# KiCad board 4-ch-backplane.kicad_pcb (continued)
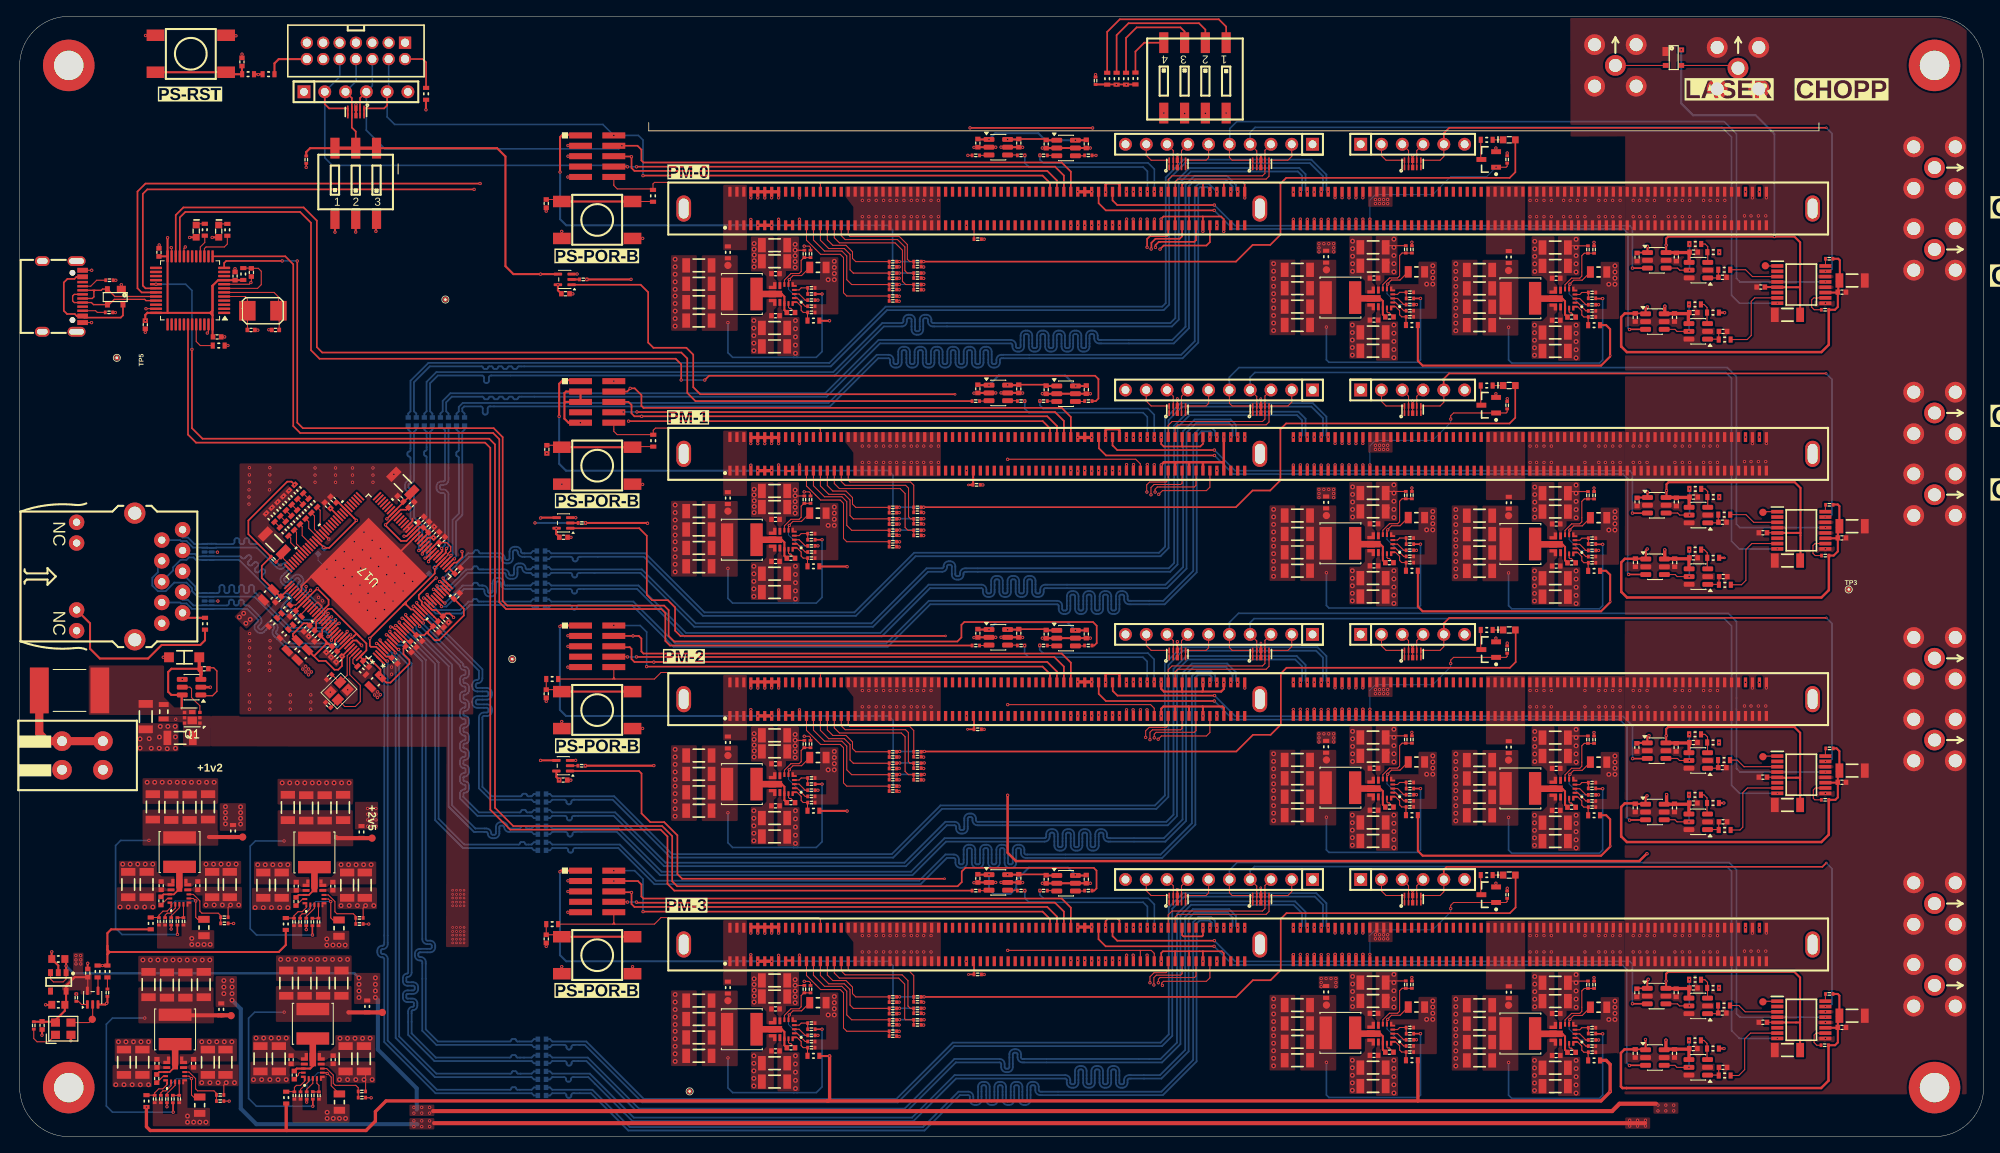
[diagram p0: board, top side]
## Copper pours and planes (outline as drawn; the poured copper is in the pictures) (continued)
/TOP_LEVEL_IO/SPEEDY_PM__INST/PWR/PWR_VIN on Top Layer: 19.96,50.67 19.96,47.72 23.41,47.72 23.41,51.46 16.92,51.48 16.92,50.67
/TOP_LEVEL_IO/SPEEDY_PM__INST/PWR/PWR_VIN on Top Layer: 188.48,101.89 188.48,100.67 188.58,100.57 188.58,100.57 188.63,100.51 188.63,99.67 190.7,99.67 190.7,94.87 188,94.87 188,100.74 188.15,100.89 188.15,101.89
/TOP_LEVEL_IO/SPEEDY_PM__INST/PWR/PWR_VIN on Top Layer: 93.06,73.61 93.06,74.62 93.64,75.19 93.64,75.81 95.24,75.81 95.24,80.04 92.59,80.04 92.59,74.76 92.74,74.61 92.74,73.61
/TOP_LEVEL_IO/SPEEDY_PM__INST/PWR/PWR_VIN on Top Layer: 19.62,8.34 20.62,8.34 21.19,7.77 21.82,7.77 21.82,6.17 26.76,6.17 26.76,8.82 20.77,8.82 20.62,8.67 19.62,8.67
/TOP_LEVEL_IO/SPEEDY_PM__INST/PWR/PWR_VIN on Top Layer: 166.22,71.86 166.22,70.64 166.32,70.54 166.31,70.54 166.36,70.48 166.36,69.64 168.44,69.64 168.44,64.84 165.74,64.84 165.74,70.71 165.89,70.86 165.89,71.86
/TOP_LEVEL_IO/SPEEDY_PM__INST/PWR/PWR_VIN on Top Layer: 28.21,9.17 43.47,9.19 43.47,6.54 28.21,6.47
/TOP_LEVEL_IO/SPEEDY_PM__INST/PWR/PWR_VIN on Top Layer: 93.08,102.45 93.08,101.23 93.18,101.13 93.18,101.13 93.23,101.07 93.23,100.23 95.31,100.23 95.31,95.43 92.61,95.43 92.61,101.3 92.76,101.45 92.76,102.45
/TOP_LEVEL_IO/SPEEDY_PM__INST/PWR/PWR_VIN on Top Layer: 166.2,13.21 166.2,14.21 166.77,14.78 166.77,15.41 168.37,15.41 168.37,20.23 165.72,20.23 165.72,14.36 165.87,14.21 165.87,13.21
/TOP_LEVEL_IO/SPEEDY_PM__INST/PWR/PWR_VIN on Top Layer: 36.64,30 37.64,30 38.21,29.42 38.84,29.42 38.84,27.82 43.66,27.82 43.66,30.47 37.79,30.47 37.64,30.32 36.64,30.32
/TOP_LEVEL_IO/SPEEDY_PM__INST/PWR/PWR_VIN on Top Layer: 36.44,8.72 37.45,8.72 38.02,8.14 38.64,8.14 38.64,6.54 43.47,6.54 43.47,9.19 37.59,9.19 37.44,9.04 36.44,9.04
/TOP_LEVEL_IO/SPEEDY_PM__INST/PWR/PWR_VIN on Top Layer: 20.14,30.07 21.14,30.07 21.71,29.49 22.34,29.49 22.34,27.89 27.16,27.89 27.16,30.54 21.29,30.54 21.14,30.39 20.14,30.39
/TOP_LEVEL_IO/SPEEDY_PM__INST/PWR/PWR_VIN on Top Layer: 23.38,51.46 54.91,51.53 54.87,23.18 52.1,23.18 52.15,47.67 23.37,47.73
/TOP_LEVEL_IO/SPEEDY_PM__INST/PWR/PWR_VIN on Top Layer: 166.22,41.97 166.22,40.75 166.32,40.65 166.31,40.65 166.36,40.59 166.36,39.75 168.44,39.75 168.44,34.95 165.74,34.95 165.74,40.82 165.89,40.97 165.89,41.97
/TOP_LEVEL_IO/SPEEDY_PM__INST/PWR/PWR_VIN on Top Layer: 93.06,103.66 93.06,104.67 93.64,105.24 93.64,105.86 95.24,105.86 95.24,110.09 92.59,110.09 92.59,104.81 92.74,104.66 92.74,103.66
/TOP_LEVEL_IO/SPEEDY_PM__INST/PWR/PWR_VIN on Top Layer: 93.08,72.4 93.08,71.18 93.18,71.08 93.18,71.08 93.23,71.02 93.23,70.18 95.31,70.18 95.31,65.38 92.61,65.38 92.61,71.25 92.76,71.4 92.76,72.4
/TOP_LEVEL_IO/SPEEDY_PM__INST/PWR/PWR_VIN on Top Layer: 166.2,73.07 166.2,74.08 166.77,74.65 166.77,75.27 168.37,75.27 168.37,80.1 165.72,80.1 165.72,74.22 165.87,74.07 165.87,73.07
/TOP_LEVEL_IO/SPEEDY_PM__INST/PWR/PWR_VIN on Top Layer: 93.06,43.73 93.06,44.73 93.64,45.3 93.64,45.93 95.24,45.93 95.24,50.15 92.59,50.15 92.59,44.88 92.74,44.73 92.74,43.73
/TOP_LEVEL_IO/SPEEDY_PM__INST/PWR/PWR_VIN on Top Layer: 188.46,13.19 188.46,14.19 189.03,14.76 189.03,15.39 190.63,15.39 190.63,20.21 187.98,20.21 187.98,14.34 188.13,14.19 188.13,13.19
/TOP_LEVEL_IO/SPEEDY_PM__INST/PWR/PWR_VIN on Top Layer: 188.46,43.16 188.46,44.17 189.03,44.74 189.03,45.36 190.63,45.36 190.63,50.19 187.98,50.19 187.98,44.31 188.13,44.16 188.13,43.16
/TOP_LEVEL_IO/SPEEDY_PM__INST/PWR/PWR_VIN on Top Layer: 166.22,101.91 166.22,100.69 166.32,100.59 166.31,100.59 166.36,100.53 166.36,99.69 168.44,99.69 168.44,94.89 165.74,94.89 165.74,100.76 165.89,100.91 165.89,101.91
/TOP_LEVEL_IO/SPEEDY_PM__INST/PWR/PWR_VIN on Top Layer: 93.06,13.75 93.06,14.76 93.64,15.33 93.64,15.95 95.24,15.95 95.24,20.18 92.59,20.18 92.59,14.9 92.74,14.75 92.74,13.75
/TOP_LEVEL_IO/SPEEDY_PM__INST/PWR/PWR_VIN on Top Layer: 166.22,12 166.22,10.77 166.32,10.67 166.31,10.67 166.36,10.62 166.36,9.78 168.44,9.78 168.44,4.97 165.74,4.97 165.74,10.85 165.89,11 165.89,12
/TOP_LEVEL_IO/SPEEDY_PM__INST/PWR/PWR_VIN on Top Layer: 35.23,8.7 34.01,8.7 33.91,8.6 33.85,8.55 33.01,8.55 33.01,6.47 28.21,6.47 28.21,9.17 34.08,9.17 34.23,9.02 35.23,9.02
/TOP_LEVEL_IO/SPEEDY_PM__INST/PWR/PWR_VIN on Top Layer: 93.08,42.52 93.08,41.29 93.18,41.19 93.18,41.19 93.23,41.13 93.23,40.3 95.31,40.3 95.31,35.49 92.61,35.49 92.61,41.37 92.76,41.52 92.76,42.52
/TOP_LEVEL_IO/SPEEDY_PM__INST/PWR/PWR_VIN on Top Layer: 18.9,30.02 17.68,30.02 17.58,29.92 17.58,29.92 17.52,29.87 16.68,29.87 16.68,27.79 11.88,27.79 11.88,30.49 17.75,30.49 17.9,30.34 18.9,30.34
/TOP_LEVEL_IO/SPEEDY_PM__INST/PWR/PWR_VIN on Top Layer: 93.08,12.54 93.08,11.32 93.18,11.22 93.18,11.22 93.23,11.16 93.23,10.32 95.31,10.32 95.31,5.52 92.61,5.52 92.61,11.39 92.76,11.54 92.76,12.54
/TOP_LEVEL_IO/SPEEDY_PM__INST/PWR/PWR_VIN on Top Layer: 188.48,11.98 188.48,10.75 188.58,10.65 188.58,10.65 188.63,10.6 188.63,9.76 190.7,9.76 190.7,4.95 188,4.95 188,10.83 188.15,10.98 188.15,11.98
/TOP_LEVEL_IO/SPEEDY_PM__INST/PWR/PWR_VIN on Top Layer: 188.48,41.95 188.48,40.73 188.58,40.63 188.58,40.63 188.63,40.57 188.63,39.73 190.7,39.73 190.7,34.93 188,34.93 188,40.8 188.15,40.95 188.15,41.95
/TOP_LEVEL_IO/SPEEDY_PM__INST/PWR/PWR_VIN on Top Layer: 166.2,43.18 166.2,44.19 166.77,44.76 166.77,45.38 168.37,45.38 168.37,50.21 165.72,50.21 165.72,44.33 165.87,44.18 165.87,43.18
/TOP_LEVEL_IO/SPEEDY_PM__INST/PWR/PWR_VIN on Top Layer: 188.46,73.05 188.46,74.06 189.03,74.63 189.03,75.25 190.63,75.25 190.63,80.08 187.98,80.08 187.98,74.2 188.13,74.05 188.13,73.05
/TOP_LEVEL_IO/SPEEDY_PM__INST/PWR/PWR_VIN on Top Layer: 35.4,29.95 34.18,29.95 34.08,29.85 34.08,29.85 34.02,29.8 33.18,29.8 33.18,27.72 28.38,27.72 28.38,30.42 34.25,30.42 34.4,30.27 35.4,30.27
/TOP_LEVEL_IO/SPEEDY_PM__INST/PWR/PWR_VIN on Top Layer: 188.48,71.84 188.48,70.62 188.58,70.52 188.58,70.52 188.63,70.46 188.63,69.62 190.7,69.62 190.7,64.82 188,64.82 188,70.69 188.15,70.84 188.15,71.84
/TOP_LEVEL_IO/SPEEDY_PM__INST/PWR/PWR_VIN on Top Layer: 166.2,103.12 166.2,104.13 166.77,104.7 166.77,105.32 168.37,105.32 168.37,110.15 165.72,110.15 165.72,104.27 165.87,104.12 165.87,103.12
/TOP_LEVEL_IO/SPEEDY_PM__INST/PWR/PWR_VIN on In1.Cu: 43.7,30.47 43.7,27.82 54.89,27.82 54.88,30.47
/TOP_LEVEL_IO/SPEEDY_PM__INST/PWR/PWR_VIN on In1.Cu: 92.58,20.18 92.64,35.48 95.28,35.48 95.23,20.18
/TOP_LEVEL_IO/SPEEDY_PM__INST/PWR/PWR_VIN on In1.Cu: 92.58,95.44 92.56,110.01 95.21,110.01 95.22,95.44
/TOP_LEVEL_IO/SPEEDY_PM__INST/PWR/PWR_VIN on In1.Cu: 165.72,64.95 165.7,80.1 168.35,80.1 168.42,64.95
/TOP_LEVEL_IO/SPEEDY_PM__INST/PWR/PWR_VIN on In1.Cu: 187.98,20.2 188,35.15 190.7,35.15 190.63,20.2
/TOP_LEVEL_IO/SPEEDY_PM__INST/PWR/PWR_VIN on In1.Cu: 11.44,8.75 26.7,8.77 26.7,6.12 11.44,6.05
/TOP_LEVEL_IO/SPEEDY_PM__INST/PWR/PWR_VIN on In1.Cu: 27.18,30.55 28.44,30.45 28.44,27.75 27.18,27.9
/TOP_LEVEL_IO/SPEEDY_PM__INST/PWR/PWR_VIN on In1.Cu: 11.36,8.77 26.76,8.82 26.76,6.17 11.36,6.07
/TOP_LEVEL_IO/SPEEDY_PM__INST/PWR/PWR_VIN on In1.Cu: 188.02,94.97 188,110.12 190.65,110.12 190.72,94.97
/TOP_LEVEL_IO/SPEEDY_PM__INST/PWR/PWR_VIN on In1.Cu: 165.75,4.3 165.73,20.23 168.38,20.23 168.45,4.3
/TOP_LEVEL_IO/SPEEDY_PM__INST/PWR/PWR_VIN on In1.Cu: 28.21,9.18 43.47,9.2 43.47,6.55 28.21,6.48
/TOP_LEVEL_IO/SPEEDY_PM__INST/PWR/PWR_VIN on In1.Cu: 165.73,35.07 165.71,50.22 168.36,50.22 168.43,35.07
/TOP_LEVEL_IO/SPEEDY_PM__INST/PWR/PWR_VIN on In1.Cu: 165.71,65.72 165.71,63.59 190.7,63.52 190.7,65.65
/TOP_LEVEL_IO/SPEEDY_PM__INST/PWR/PWR_VIN on In1.Cu: 11.92,30.53 27.18,30.55 27.18,27.9 11.92,27.83
/TOP_LEVEL_IO/SPEEDY_PM__INST/PWR/PWR_VIN on In1.Cu: 92.62,79.94 92.6,95.53 95.25,95.53 95.26,79.94
/TOP_LEVEL_IO/SPEEDY_PM__INST/PWR/PWR_VIN on In1.Cu: 92.64,65.37 92.62,79.94 95.27,79.94 95.28,65.37
/TOP_LEVEL_IO/SPEEDY_PM__INST/PWR/PWR_VIN on In1.Cu: 28.44,30.45 43.7,30.47 43.7,27.82 28.44,27.75
/TOP_LEVEL_IO/SPEEDY_PM__INST/PWR/PWR_VIN on In1.Cu: 92.62,50 92.64,65.45 95.28,65.45 95.27,50
/TOP_LEVEL_IO/SPEEDY_PM__INST/PWR/PWR_VIN on In1.Cu: 165.7,94.99 165.68,110.14 168.33,110.14 168.4,94.99
/TOP_LEVEL_IO/SPEEDY_PM__INST/PWR/PWR_VIN on In1.Cu: 43.47,9.19 43.47,6.54 53.17,6.54 53.16,9.19
/TOP_LEVEL_IO/SPEEDY_PM__INST/PWR/PWR_VIN on In1.Cu: 92.64,35.44 92.62,50.01 95.27,50.01 95.28,35.44
/TOP_LEVEL_IO/SPEEDY_PM__INST/PWR/PWR_VIN on In1.Cu: 52.21,4.9 52.22,2.07 190.74,2.07 190.7,4.95 92.61,4.95
/TOP_LEVEL_IO/SPEEDY_PM__INST/PWR/PWR_VIN on In1.Cu: 52.22,4.68 54.87,4.68 54.86,30.48 52.22,30.48
/TOP_LEVEL_IO/SPEEDY_PM__INST/PWR/PWR_VIN on In1.Cu: 188,64.97 187.98,80.12 190.63,80.12 190.7,64.97
/TOP_LEVEL_IO/SPEEDY_PM__INST/PWR/PWR_VIN on In1.Cu: 165.7,95.45 165.69,93.32 190.68,93.25 190.69,95.38
/TOP_LEVEL_IO/SPEEDY_PM__INST/PWR/PWR_VIN on In1.Cu: 187.98,50.3 187.99,65.26 190.69,65.26 190.62,50.3
/TOP_LEVEL_IO/SPEEDY_PM__INST/PWR/PWR_VIN on In1.Cu: 165.74,35.8 165.73,33.67 190.72,33.6 190.72,35.73
/TOP_LEVEL_IO/SPEEDY_PM__INST/PWR/PWR_VIN on In1.Cu: 187.98,80.12 187.99,95.08 190.69,95.08 190.62,80.12
/TOP_LEVEL_IO/SPEEDY_PM__INST/PWR/PWR_VIN on In1.Cu: 188,35.15 187.98,50.3 190.63,50.3 190.7,35.15
/TOP_LEVEL_IO/SPEEDY_PM__INST/PWR/PWR_VIN on In1.Cu: 26.76,8.82 28.21,9.18 28.21,6.48 26.7,6.12
/TOP_LEVEL_IO/SPEEDY_PM__INST/PWR/PWR_VIN on In1.Cu: 92.61,2.07 92.58,20.23 95.23,20.23 95.32,2.07
/TOP_LEVEL_IO/SPEEDY_PM__INST/PWR/PWR_VIN on In1.Cu: 188,4.82 187.98,20.21 190.63,20.21 190.71,4.82
/TOP_LEVEL_IO/SPEEDY_PM__INST/PWR/TPS543620_BUCK_2V4/L- on Top Layer: 160.89,97.99 160.89,107.24 156.49,107.24 156.49,97.99
/TOP_LEVEL_IO/SPEEDY_PM__INST/PWR/TPS543620_BUCK_5V0_CONN/L- on Top Layer: 87.75,98.53 87.75,107.78 83.35,107.78 83.35,98.53
/TOP_LEVEL_IO/SPEEDY_PM__INST/PWR/TPS543620_BUCK_5V0_PGA/L- on Top Layer: 183.15,97.97 183.15,107.22 178.75,107.22 178.75,97.97
Net-(U1-ANODE) on Top Layer: 21.6,51.57 8.45,51.57 8.45,57.62 17.65,57.62 17.65,53.75 18.91,52.49 21.6,52.49

## Text on the board
Top Overlay: +1v2 | +5v0 | +2v5 | PS-RST | PS-POR-B | PM-2 | PM-3 | PM-1 | PM-0 | +12v | GND | LASER | CHOPP | CH-2 | CH-1
